# Allegro board A523-EVB-AXP717C-LPDDR4-4X-32X1-V1-0.brd (continued)
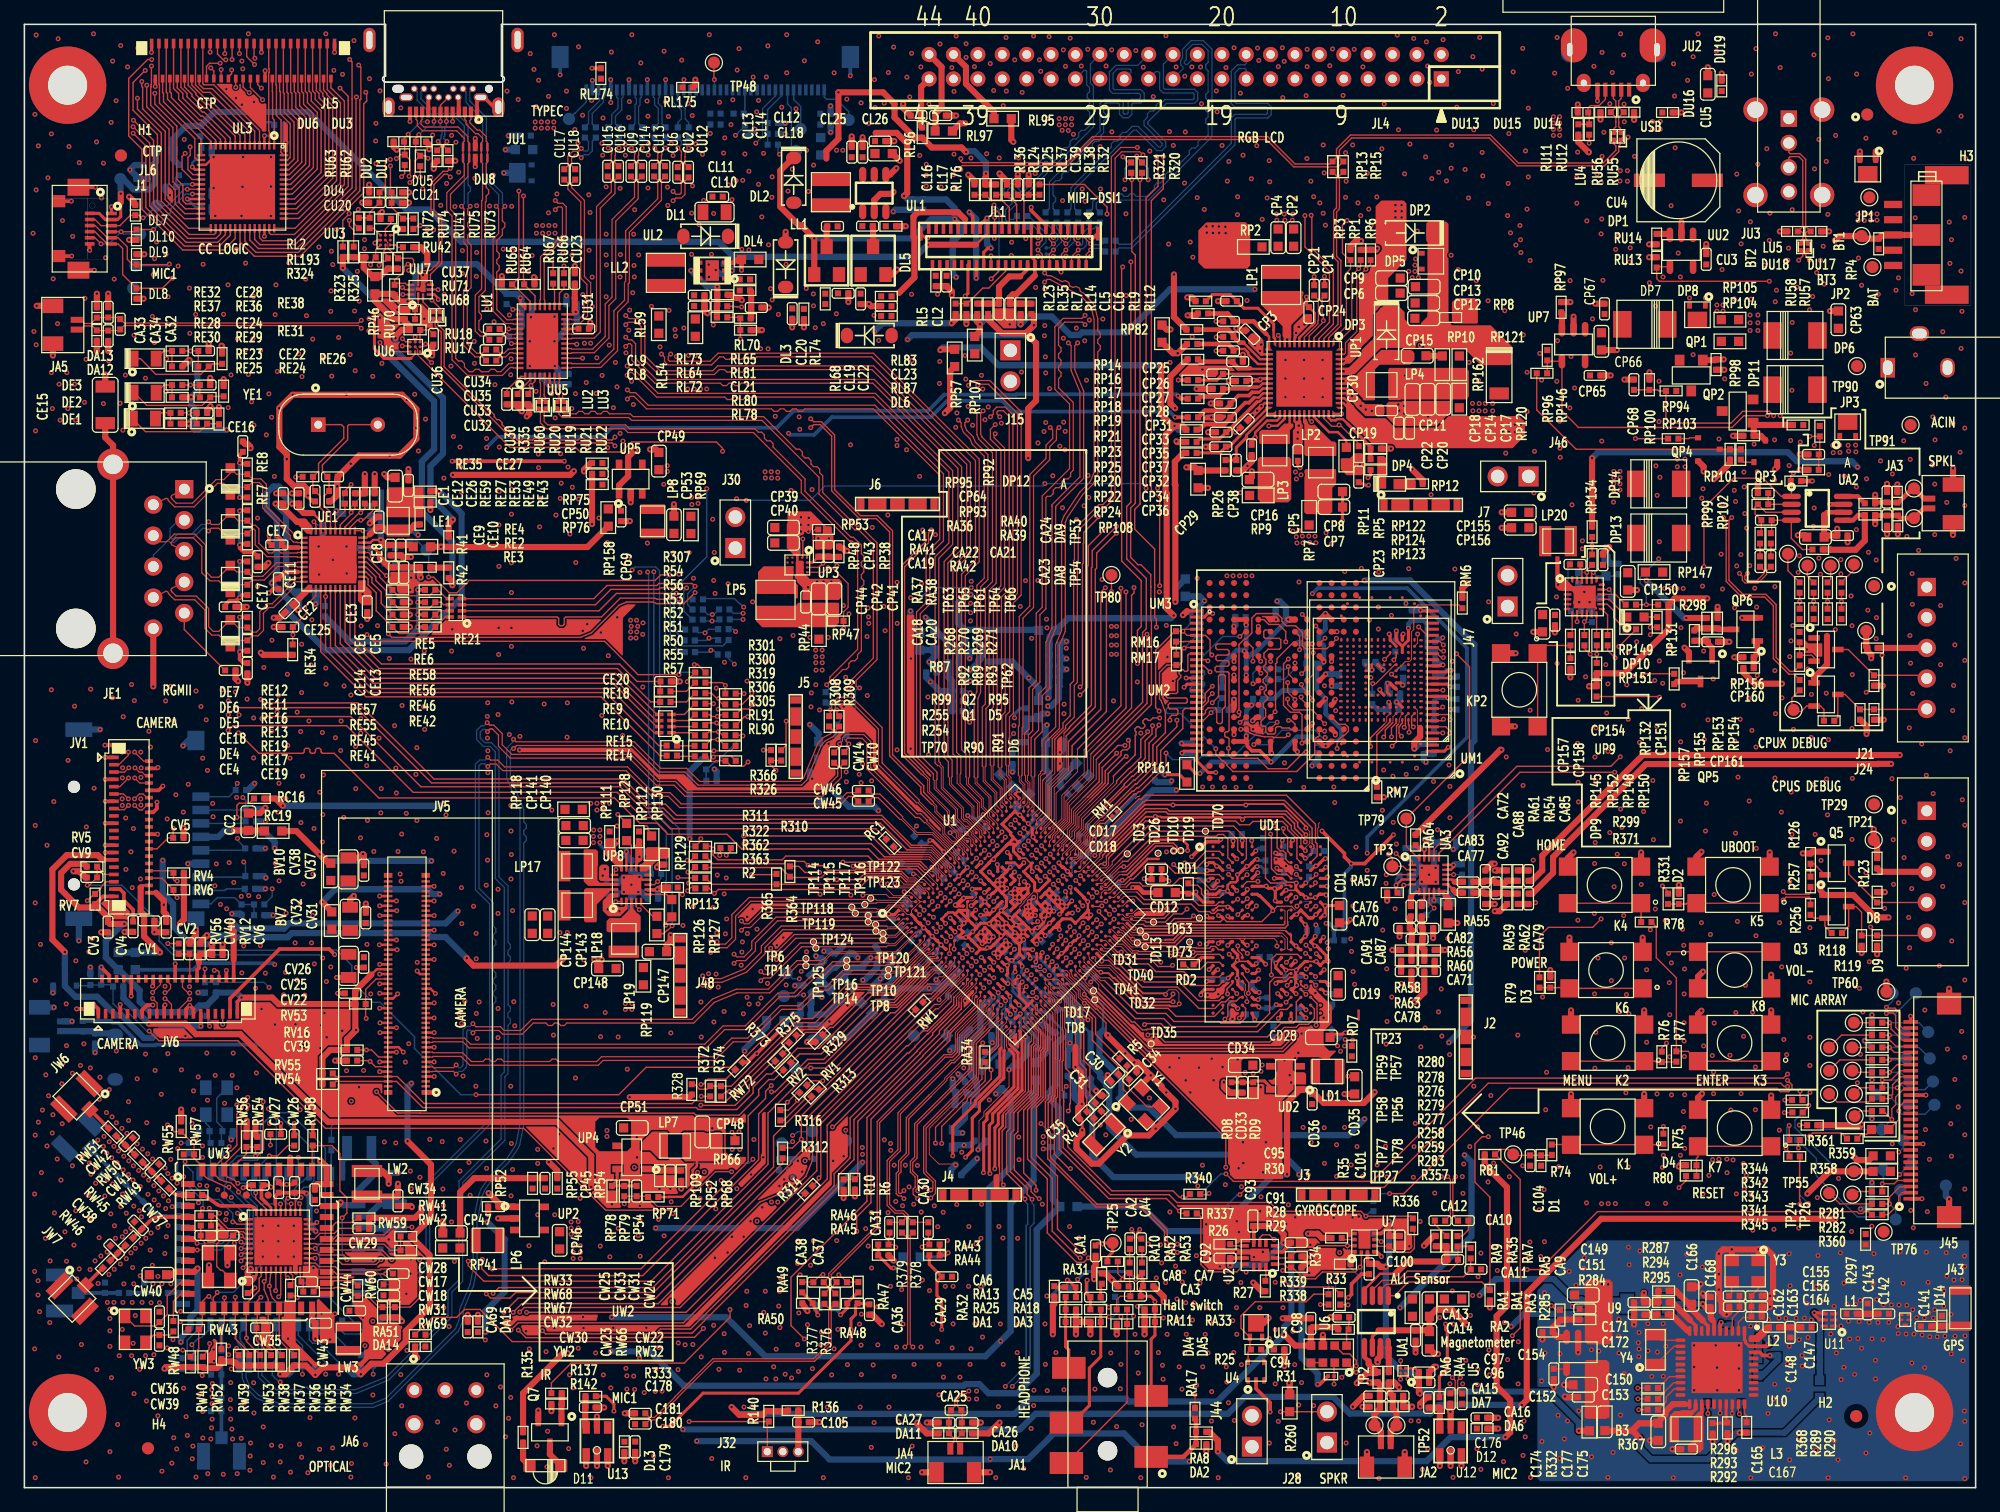
[diagram p0: board, top side]
## Footprints (pads in the part's own frame, mm; a bottom-side part is the same pattern mirrored in y, then rotated) (continued)
DFN6P650B200_200H75
  rect 0.35x0.55 smd: 1(-0.65,-1.075) 2(0,-1.075) 3(0.65,-1.075) 4(0.65,1.075) 5(0,1.075) 6(-0.65,1.075)
  rect 1.7x1.1 smd: 7(0,0)
ESD0402
  rect 0.5x0.5 smd: 1(-0.425,0) 2(0.425,0)
FPC8P50B450_710H150
  rect 0.3x0.9 smd: 1(-1.25,2.6) 2(-0.75,2.6) 3(-0.25,2.6) 4(0.25,2.6) 5(0.75,2.6) 6(1.25,2.6)
  rect 1.4x1.8 smd: 7(3.4,-0.1) 8(-3.4,-0.1)
FPC32P50B490_1860H310
  rect 0.3x1.2 smd: 1(-7.25,2.7) 2(-6.75,2.7) 3(-6.25,2.7) 4(-5.75,2.7) 5(-5.25,2.7) 6(-4.75,2.7) 7(-4.25,2.7) 8(-3.75,2.7) 9(-3.25,2.7) 10(-2.75,2.7) 11(-2.25,2.7) 12(-1.75,2.7) 13(-1.25,2.7) 14(-0.75,2.7) 15(-0.25,2.7) 16(0.25,2.7) 17(0.75,2.7) 18(1.25,2.7) 19(1.75,2.7) 20(2.25,2.7) 21(2.75,2.7) 22(3.25,2.7) 23(3.75,2.7) 24(4.25,2.7) 25(4.75,2.7) 26(5.25,2.7) 27(5.75,2.7) 28(6.25,2.7) 29(6.75,2.7) 30(7.25,2.7)
  rect 1.8x2 smd: 31(-8.75,-0.45) 32(8.75,-0.45)
FPC42P50B450_2410H150
  rect 0.3x0.9 smd: 1(-9.75,2.6) 2(-9.25,2.6) 3(-8.75,2.6) 4(-8.25,2.6) 5(-7.75,2.6) 6(-7.25,2.6) 7(-6.75,2.6) 8(-6.25,2.6) 9(-5.75,2.6) 10(-5.25,2.6) 11(-4.75,2.6) 12(-4.25,2.6) 13(-3.75,2.6) 14(-3.25,2.6) 15(-2.75,2.6) 16(-2.25,2.6) 17(-1.75,2.6) 18(-1.25,2.6) 19(-0.75,2.6) 20(-0.25,2.6) 21(0.25,2.6) 22(0.75,2.6) 23(1.25,2.6) 24(1.75,2.6) 25(2.25,2.6) 26(2.75,2.6) 27(3.25,2.6) 28(3.75,2.6) 29(4.25,2.6) 30(4.75,2.6) 31(5.25,2.6) 32(5.75,2.6) 33(6.25,2.6) 34(6.75,2.6) 35(7.25,2.6) 36(7.75,2.6) 37(8.25,2.6) 38(8.75,2.6) 39(9.25,2.6) 40(9.75,2.6)
  rect 1.4x1.8 smd: 41(11.9,-0.1) 42(-11.9,-0.1)
FPC0310-39B2-GXX-L
  rect 0.3x0.8 smd: 1(0,0) 3(0.6,0) 5(1.2,0) 7(1.8,0) 9(2.4,0) 11(3,0) 13(3.6,0) 15(4.2,0) 17(4.8,0) 19(5.4,0) 21(6,0) 23(6.6,0) 25(7.2,0) 27(7.8,0) 29(8.4,0) 31(9,0) 33(9.6,0) 35(10.2,0) 37(10.8,0) 39(11.4,0)
  rect 0.3x0.65 smd: 2(0.3,2.875) 4(0.9,2.875) 6(1.5,2.875) 8(2.1,2.875) 10(2.7,2.875) 12(3.3,2.875) 14(3.9,2.875) 16(4.5,2.875) 18(5.1,2.875) 20(5.7,2.875) 22(6.3,2.875) 24(6.9,2.875) 26(7.5,2.875) 28(8.1,2.875) 30(8.7,2.875) 32(9.3,2.875) 34(9.9,2.875) 36(10.5,2.875) 38(11.1,2.875)
  rect 0.3x1.15 smd: 40(-1,0.4) 41(12.4,0.4)
FPC-6S-P05-H10-A
  rect 0.3x0.8 smd: 1(1.25,0) 2(0.75,0) 3(0.25,0) 4(-0.25,0) 5(-0.75,0) 6(-1.25,0)
  rect 1x1 smd: 7(-2.25,2.5) 8(2.25,2.5)
FPC-51D-P03-H15
  rect 0.3x0.8 smd: 1(0,0) 3(0.6,0) 5(1.2,0) 7(1.8,0) 9(2.4,0) 11(3,0) 13(3.6,0) 15(4.2,0) 17(4.8,0) 19(5.4,0) 21(6,0) 23(6.6,0) 25(7.2,0) 27(7.8,0) 29(8.4,0) 31(9,0) 33(9.6,0) 35(10.2,0) 37(10.8,0) 39(11.4,0) 41(12,0) 43(12.6,0) 45(13.2,0) 47(13.8,0) 49(14.4,0) 51(15,0)
  rect 0.3x0.65 smd: 2(0.3,2.875) 4(0.9,2.875) 6(1.5,2.875) 8(2.1,2.875) 10(2.7,2.875) 12(3.3,2.875) 14(3.9,2.875) 16(4.5,2.875) 18(5.1,2.875) 20(5.7,2.875) 22(6.3,2.875) 24(6.9,2.875) 26(7.5,2.875) 28(8.1,2.875) 30(8.7,2.875) 32(9.3,2.875) 34(9.9,2.875) 36(10.5,2.875) 38(11.1,2.875) 40(11.7,2.875) 42(12.3,2.875) 44(12.9,2.875) 46(13.5,2.875) 48(14.1,2.875) 50(14.7,2.875)
  rect 0.3x1.15 smd: 52(15.65,0.375) 53(-0.65,0.375)
HDR1_2P254B250_508H254
  rect 1.65x1.65 hole 1.1: 1(-1.27,0)
  round 1.65 hole 1.1: 2(1.27,0)
HDR1_5P250B570_1500H700
  rect 1.5x1.5 hole 0.9: 1(-0.5,5)
  round 1.5 hole 0.9: 2(-0.5,2.5) 3(-0.5,0) 4(-0.5,-2.5) 5(-0.5,-5)
HP5B650_1400H500
  round 1.6 hole 1.6 unplated: (0,3) (0,-3)
  rect 2.75x1.8 smd: 1(-3.575,3.5) 2(3.375,0.7) 3(-3.575,-1.5) 4(3.175,-3.8) 5(3.375,4)
IDCN-44
  rect 1.246x1.246 hole 0.7: 1(32.3,-2.2)
  round 1.246 hole 0.7: 2(32.3,-0.2) 3(30.3,-2.2) 4(30.3,-0.2) 5(28.3,-2.2) 6(28.3,-0.2) 7(26.3,-2.2) 8(26.3,-0.2) 9(24.3,-2.2) 10(24.3,-0.2) 11(22.3,-2.2) 12(22.3,-0.2) 13(20.3,-2.2) 14(20.3,-0.2) 15(18.3,-2.2) 16(18.3,-0.2) 17(16.3,-2.2) 18(16.3,-0.2) 19(14.3,-2.2) 20(14.3,-0.2) 21(12.3,-2.2) 22(12.3,-0.2) 23(10.3,-2.2) 24(10.3,-0.2) 25(8.3,-2.2) 26(8.3,-0.2) 27(6.3,-2.2) 28(6.3,-0.2) 29(4.3,-2.2) 30(4.3,-0.2) 31(2.3,-2.2) 32(2.3,-0.2) 33(0.3,-2.2) 34(0.3,-0.2) 35(-1.7,-2.2) 36(-1.7,-0.2) 37(-3.7,-2.2) 38(-3.7,-0.2) 39(-5.7,-2.2) 40(-5.7,-0.2) 41(-7.7,-2.2) 42(-7.7,-0.2) 43(-9.7,-2.2) 44(-9.7,-0.2)
KEY4B450_450H380
  rect 1.5x1.5 smd: 1(-3,1.5) 2(-3,-1.5) 3(3,1.5) 4(3,-1.5)
L0402
  rect 0.5x0.5 smd: 1(-0.425,0) 2(0.425,0)
L0603
  rect 0.76x0.76 smd: 1(-0.71,0) 2(0.71,0)
L_CHOKE_SMD_DLP0NS0806
  rect 0.38x0.3 smd: 1(-0.315,-0.25) 2(0.315,-0.25) 3(0.315,0.25) 4(-0.315,0.25)
LED0603
  rect 0.76x0.76 smd: 1(-0.71,0) 2(0.71,0)
LED0805
  rect 0.9x1.3 smd: 1(-0.95,0) 2(0.95,0)
LGA12P50B200_200H100
  rect 0.3x0.35 smd: 1(-0.75,0.8) 4(-0.75,-0.8) 5(-0.25,-0.8) 6(0.25,-0.8) 7(0.75,-0.8) 10(0.75,0.8) 11(0.25,0.8) 12(-0.25,0.8)
  rect 0.35x0.3 smd: 2(-0.8,0.25) 3(-0.8,-0.25) 8(0.8,-0.25) 9(0.8,0.25)
LGA14P50B250_300H81
  rect 0.3x0.7 smd: 1(-0.5,1) 2(0,1) 3(0.5,1) 8(0.5,-1) 9(0,-1) 10(-0.5,-1)
  rect 0.7x0.3 smd: 4(1.25,0.75) 5(1.25,0.25) 6(1.25,-0.25) 7(1.25,-0.75) 11(-1.25,-0.75) 12(-1.25,-0.25) 13(-1.25,0.25) 14(-1.25,0.75)
LP160_200H100
  rect 1x1.9 smd: 1(-0.8,0) 2(0.8,0)
LP200_250H100
  rect 0.8x2 smd: 1(-1,0) 2(1,0)
LP200_250H120
  rect 1x2.5 smd: 1(-1.05,0) 2(1.05,0)
LP300_300H100
  rect 1.1x3.2 smd: 1(-1.05,0) 2(1.05,0)
MIC6B265_350H100
  rect 1.03x0.62 smd: 1(-1.105,0.883) 3(-1.105,-0.883) 4(1.105,-0.883) 6(1.105,0.883)
  rect 1.03x0.5 smd: 2(-1.105,0) 5(1.105,0)
MSOP8
  oval 0.45x1.56 smd: 1(-0.975,-2.123) 2(-0.325,-2.123) 3(0.325,-2.123) 4(0.975,-2.123) 5(0.975,2.123) 6(0.325,2.123) 7(-0.325,2.123) 8(-0.975,2.123)
MTH635D320
  round 6.35 hole 3.2: 1(0,0)
PWR3B500_1110H740
  rect 1.6x1.2 hole 1.2x0.8: 1(0,5.35)
  oval 1.6x1.2 hole 1.2x0.8: 2(0,0.45)
  oval 1.2x1.6 hole 0.8x1.2: 3(2.8,2.75)
QFN3P100B200_200H53
  rect 0.35x0.6 smd: 1(-0.5,0.85) 2(0.5,0.85)
  rect 1.3x1.4 smd: 3(0,-0.3)
QFN10P40B140_180H55
  rect 0.7x0.2 smd: 1(-0.55,0.2)
  rect 0.6x0.2 smd: 2(-0.6,-0.2) 6(0.6,-0.2) 7(0.6,0.2)
  rect 0.2x0.6 smd: 3(-0.4,-0.8) 4(0,-0.8) 5(0.4,-0.8) 8(0.4,0.8) 9(0,0.8) 10(-0.4,0.8)
QFN20P40B300_300H75
  rect 0.63x0.2 smd: 1(-1.385,0.8) 2(-1.385,0.4) 3(-1.385,0) 4(-1.385,-0.4) 5(-1.385,-0.8) 11(1.385,-0.8) 12(1.385,-0.4) 13(1.385,0) 14(1.385,0.4) 15(1.385,0.8)
  rect 0.2x0.63 smd: 6(-0.8,-1.385) 7(-0.4,-1.385) 8(0,-1.385) 9(0.4,-1.385) 10(0.8,-1.385) 16(0.8,1.385) 17(0.4,1.385) 18(0,1.385) 19(-0.4,1.385) 20(-0.8,1.385)
  rect 1.65x1.65 smd: 21(0,0)
QFN25P40B300_300H60
  custom 0.05x0.05 smd: 1(-1.43,1) 6(-1.43,-1) 7(-1,-1.43) 12(1,-1.43) 13(1.43,-1) 18(1.43,1) 19(1,1.43) 24(-1,1.43)
  rect 0.63x0.2 smd: 2(-1.38,0.6) 3(-1.38,0.2) 4(-1.38,-0.2) 5(-1.38,-0.6) 14(1.38,-0.6) 15(1.38,-0.2) 16(1.38,0.2) 17(1.38,0.6)
  rect 0.2x0.63 smd: 8(-0.6,-1.38) 9(-0.2,-1.38) 10(0.2,-1.38) 11(0.6,-1.38) 20(0.6,1.38) 21(0.2,1.38) 22(-0.2,1.38) 23(-0.6,1.38)
  rect 1.45x1.45 smd: 25(0,0)
QFN40
  custom 0.075x0.075 smd: 1(-3,2.25) 2(-3,1.75) 3(-3,1.25) 4(-3,0.75) 5(-3,0.25) 6(-3,-0.25) 7(-3,-0.75) 8(-3,-1.25) 9(-3,-1.75) 10(-3,-2.25) 11(-2.25,-3) 12(-1.75,-3) 13(-1.25,-3) 14(-0.75,-3) 15(-0.25,-3) 16(0.25,-3) 17(0.75,-3) 18(1.25,-3) 19(1.75,-3) 20(2.25,-3) 21(3,-2.25) 22(3,-1.75) 23(3,-1.25) 24(3,-0.75) 25(3,-0.25) 26(3,0.25) 27(3,0.75) 28(3,1.25) 29(3,1.75) 30(3,2.25) 31(2.25,3) 32(1.75,3) 33(1.25,3) 34(0.75,3) 35(0.25,3) 36(-0.25,3) 37(-0.75,3) 38(-1.25,3) 39(-1.75,3) 40(-2.25,3)
  rect 4.2x4.2 smd: 41(0,0)
QFN41P40B400_600H80
  rect 0.63x0.2 smd: 1(-2.885,1.4) 2(-2.885,1) 3(-2.885,0.6) 4(-2.885,0.2) 5(-2.885,-0.2) 6(-2.885,-0.6) 7(-2.885,-1) 8(-2.885,-1.4) 21(2.85,-1.4) 22(2.85,-1) 23(2.85,-0.6) 24(2.85,-0.2) 25(2.85,0.2) 26(2.85,0.6) 27(2.85,1) 28(2.85,1.4)
  rect 0.2x0.63 smd: 9(-2.2,-1.86) 10(-1.8,-1.86) 11(-1.4,-1.86) 12(-1,-1.86) 13(-0.6,-1.86) 14(-0.2,-1.86) 15(0.2,-1.86) 16(0.6,-1.86) 17(1,-1.86) 18(1.4,-1.86) 19(1.8,-1.86) 20(2.2,-1.86) 29(2.2,1.86) 30(1.8,1.86) 31(1.4,1.86) 32(1,1.86) 33(0.6,1.86) 34(0.2,1.86) 35(-0.2,1.86) 36(-0.6,1.86) 37(-1,1.86) 38(-1.4,1.86) 39(-1.8,1.86) 40(-2.2,1.86)
  rect 4.6x2.6 smd: 41(0,0)
QFN41P40B500_500H85
  rect 0.63x0.2 smd: 1(-2.385,1.8) 2(-2.385,1.4) 3(-2.385,1) 4(-2.385,0.6) 5(-2.385,0.2) 6(-2.385,-0.2) 7(-2.385,-0.6) 8(-2.385,-1) 9(-2.385,-1.4) 10(-2.385,-1.8) 21(2.385,-1.8) 22(2.385,-1.4) 23(2.385,-1) 24(2.385,-0.6) 25(2.385,-0.2) 26(2.385,0.2) 27(2.385,0.6) 28(2.385,1) 29(2.385,1.4) 30(2.385,1.8)
  rect 0.2x0.63 smd: 11(-1.8,-2.385) 12(-1.4,-2.385) 13(-1,-2.385) 14(-0.6,-2.385) 15(-0.2,-2.385) 16(0.2,-2.385) 17(0.6,-2.385) 18(1,-2.385) 19(1.4,-2.385) 20(1.8,-2.385) 31(1.8,2.385) 32(1.4,2.385) 33(1,2.385) 34(0.6,2.385) 35(0.2,2.385) 36(-0.2,2.385) 37(-0.6,2.385) 38(-1,2.385) 39(-1.4,2.385) 40(-1.8,2.385)
  rect 3.6x3.6 smd: 41(0,0)
QFN50P90B1300_1500H155
  rect 1.13x0.5 smd: 1(-7.187,4.5) 2(-7.187,3.6) 3(-7.187,2.7) 4(-7.187,1.8) 5(-7.187,0.9) 6(-7.187,0) 7(-7.187,-0.9) 8(-7.187,-1.8) 9(-7.187,-2.7) 10(-7.187,-3.6) 11(-7.187,-4.5) 26(7.187,-4.5) 27(7.187,-3.6) 28(7.187,-2.7) 29(7.187,-1.8) 30(7.187,-0.9) 31(7.187,0) 32(7.187,0.9) 33(7.187,1.8) 34(7.187,2.7) 35(7.187,3.6) 36(7.187,4.5)
  rect 0.5x1.13 smd: 12(-5.85,-6.187) 13(-4.95,-6.187) 14(-4.05,-6.187) 15(-3.15,-6.187) 16(-2.25,-6.187) 17(-1.35,-6.187) 18(-0.45,-6.187) 19(0.45,-6.187) 20(1.35,-6.187) 21(2.25,-6.187) 22(3.15,-6.187) 23(4.05,-6.187) 24(4.95,-6.187) 25(5.85,-6.187) 37(5.85,6.187) 38(4.95,6.187) 39(4.05,6.187) 40(3.15,6.187) 41(2.25,6.187) 42(1.35,6.187) 43(0.45,6.187) 44(-0.45,6.187) 45(-1.35,6.187) 46(-2.25,6.187) 47(-3.15,6.187) 48(-4.05,6.187) 49(-4.95,6.187) 50(-5.85,6.187)
QFN53P40B600_600H75
  custom 0.05x0.05 smd: 1(-2.89,2.4) 13(-2.89,-2.4) 14(-2.4,-2.89) 26(2.4,-2.89) 27(2.89,-2.4) 39(2.89,2.4) 40(2.4,2.89) 52(-2.4,2.89)
  rect 0.63x0.2 smd: 2(-2.885,2) 3(-2.885,1.6) 4(-2.885,1.2) 5(-2.885,0.8) 6(-2.885,0.4) 7(-2.885,0) 8(-2.885,-0.4) 9(-2.885,-0.8) 10(-2.885,-1.2) 11(-2.885,-1.6) 12(-2.885,-2) 28(2.885,-2) 29(2.885,-1.6) 30(2.885,-1.2) 31(2.885,-0.8) 32(2.885,-0.4) 33(2.885,0) 34(2.885,0.4) 35(2.885,0.8) 36(2.885,1.2) 37(2.885,1.6) 38(2.885,2)
  rect 0.2x0.63 smd: 15(-2,-2.885) 16(-1.6,-2.885) 17(-1.2,-2.885) 18(-0.8,-2.885) 19(-0.4,-2.885) 20(0,-2.885) 21(0.4,-2.885) 22(0.8,-2.885) 23(1.2,-2.885) 24(1.6,-2.885) 25(2,-2.885) 41(2,2.885) 42(1.6,2.885) 43(1.2,2.885) 44(0.8,2.885) 45(0.4,2.885) 46(0,2.885) 47(-0.4,2.885) 48(-0.8,2.885) 49(-1.2,2.885) 50(-1.6,2.885) 51(-2,2.885)
  rect 4.6x4.6 smd: 53(0,0)
QFN57P40B700_700H75
  rect 0.7x0.2 smd: 1(-3.4,2.6) 2(-3.4,2.2) 3(-3.4,1.8) 4(-3.4,1.4) 5(-3.4,1) 6(-3.4,0.6) 7(-3.4,0.2) 8(-3.4,-0.2) 9(-3.4,-0.6) 10(-3.4,-1) 11(-3.4,-1.4) 12(-3.4,-1.8) 13(-3.4,-2.2) 14(-3.4,-2.6) 29(3.4,-2.6) 30(3.4,-2.2) 31(3.4,-1.8) 32(3.4,-1.4) 33(3.4,-1) 34(3.4,-0.6) 35(3.4,-0.2) 36(3.4,0.2) 37(3.4,0.6) 38(3.4,1) 39(3.4,1.4) 40(3.4,1.8) 41(3.4,2.2) 42(3.4,2.6)
  rect 0.2x0.7 smd: 15(-2.6,-3.4) 16(-2.2,-3.4) 17(-1.8,-3.4) 18(-1.4,-3.4) 19(-1,-3.4) 20(-0.6,-3.4) 21(-0.2,-3.4) 22(0.2,-3.4) 23(0.6,-3.4) 24(1,-3.4) 25(1.4,-3.4) 26(1.8,-3.4) 27(2.2,-3.4) 28(2.6,-3.4) 43(2.6,3.4) 44(2.2,3.4) 45(1.8,3.4) 46(1.4,3.4) 47(1,3.4) 48(0.6,3.4) 49(0.2,3.4) 50(-0.2,3.4) 51(-0.6,3.4) 52(-1,3.4) 53(-1.4,3.4) 54(-1.8,3.4) 55(-2.2,3.4) 56(-2.6,3.4)
  rect 5.35x5.35 smd: 57(0,0)
R0201
  rect 0.3x0.3 smd: 1(-0.25,0) 2(0.25,0)
R0402
  rect 0.5x0.5 smd: 1(-0.425,0) 2(0.425,0)
R0603
  rect 0.76x0.76 smd: 1(-0.71,0) 2(0.71,0)
R1206
  rect 1x1.6 smd: 1(-1.5,0) 2(1.5,0)
RA8P50B100_200H45
  rect 0.7x0.3 smd: 1(-0.5,0.75) 2(-0.5,0.25) 3(-0.5,-0.25) 4(-0.5,-0.75) 5(0.5,-0.75) 6(0.5,-0.25) 7(0.5,0.25) 8(0.5,0.75)
RCLAMP0524P
  rect 0.2x0.675 smd: 1(0,-0.875) 2(0.5,-0.875) 4(1.5,-0.875) 5(2,-0.875) 6(2,0) 7(1.5,0) 9(0.5,0) 10(0,0)
  rect 0.4x0.67 smd: 3(1,-0.875) 8(1,0)
RJ12P127B1588_2159H1364
  round 3.25 hole 3.25 unplated: (-5.715,0.105) (5.715,0.105)
  rect 1.5x1.5 hole 0.89: 1(-5.71,8.995)
  round 1.5 hole 0.89: 2(-4.44,6.455) 3(-3.17,8.995) 4(-1.9,6.455) 5(-0.63,8.995) 6(0.64,6.455) 7(1.91,8.995) 8(3.18,6.455) 9(4.45,8.995) 10(5.72,6.455)
  round 2.6 hole 1.6: 11(-7.745,3.155) 12(7.745,3.155)
SDC13B1450_1472H245
  round 1 hole 1 unplated: (-3.05,3.25) (4.95,3.25)
  rect 0.7x1.4 smd: 1(-2.25,-7.15) 2(-1.15,-7.15) 3(-0.05,-7.15) 4(1.05,-7.15) 5(2.15,-7.15) 6(3.25,-7.15) 7(4.35,-7.15) 8(5.45,-7.15) 9(6.55,-7.15)
  rect 1.2x1.4 smd: 10(7.75,-6.75)
  rect 1.6x1.4 smd: 11(-6.85,-6.75)
  rect 1.2x2.2 smd: 12(7.75,2.85) 13(-7.75,2.85)
SEDSKT90P40B294_2060H290
  rect 0.4x0.7 smd: 1(8.9,1.54) 2(8.9,-1.54) 89(-8.9,1.54) 90(-8.9,-1.54)
  rect 0.2x0.7 smd: 3(8.4,1.54) 4(8.4,-1.54) 5(8,1.54) 6(8,-1.54) 7(7.6,1.54) 8(7.6,-1.54) 9(7.2,1.54) 10(7.2,-1.54) 11(6.8,1.54) 12(6.8,-1.54) 13(6.4,1.54) 14(6.4,-1.54) 15(6,1.54) 16(6,-1.54) 17(5.6,1.54) 18(5.6,-1.54) 19(5.2,1.54) 20(5.2,-1.54) 21(4.8,1.54) 22(4.8,-1.54) 23(4.4,1.54) 24(4.4,-1.54) 25(4,1.54) 26(4,-1.54) 27(3.6,1.54) 28(3.6,-1.54) 29(3.2,1.54) 30(3.2,-1.54) 31(2.8,1.54) 32(2.8,-1.54) 33(2.4,1.54) 34(2.4,-1.54) 35(2,1.54) 36(2,-1.54) 37(1.6,1.54) 38(1.6,-1.54) 39(1.2,1.54) 40(1.2,-1.54) 41(0.8,1.54) 42(0.8,-1.54) 43(0.4,1.54) 44(0.4,-1.54) 45(0,1.54) 46(0,-1.54) 47(-0.4,1.54) 48(-0.4,-1.54) 49(-0.8,1.54) 50(-0.8,-1.54) 51(-1.2,1.54) 52(-1.2,-1.54) 53(-1.6,1.54) 54(-1.6,-1.54) 55(-2,1.54) 56(-2,-1.54) 57(-2.4,1.54) 58(-2.4,-1.54) 59(-2.8,1.54) 60(-2.8,-1.54) 61(-3.2,1.54) 62(-3.2,-1.54) 63(-3.6,1.54) 64(-3.6,-1.54) 65(-4,1.54) 66(-4,-1.54) 67(-4.4,1.54) 68(-4.4,-1.54) 69(-4.8,1.54) 70(-4.8,-1.54) 71(-5.2,1.54) 72(-5.2,-1.54) 73(-5.6,1.54) 74(-5.6,-1.54) 75(-6,1.54) 76(-6,-1.54) 77(-6.4,1.54) 78(-6.4,-1.54) 79(-6.8,1.54) 80(-6.8,-1.54) 81(-7.2,1.54) 82(-7.2,-1.54) 83(-7.6,1.54) 84(-7.6,-1.54) 85(-8,1.54) 86(-8,-1.54) 87(-8.4,1.54) 88(-8.4,-1.54)
SFLT5B90_110H45
  rect 0.25x0.4 smd: 1(-0.42,0)
  rect 0.18x0.45 smd: 2(0,-0.35) 3(0.385,-0.35) 4(0.385,0.35) 5(0,0.35)
SHIELD-N
  rect 0.6x0.9 smd: 1(3,0) 2(-3,0)
  rect 1.2x0.9 smd: 3(0,0)
  rect 1.5x0.9 smd: 4(1.65,0) 5(-1.65,0)
SOD100_300H200
  rect 1x1 smd: 1(-1.3,0) 2(1.3,0)
SOD123
  oval 1.016x1.27 smd: 1(-1.829,0) 2(1.829,0)
SOD130_175H101
  rect 0.8x0.8 smd: 1(-1.1,0) 2(1.1,0)
SOD130_264H140
  rect 1.1x1.65 smd: 1(-1.7,0) 2(1.7,0)
SOD362_432H229
  rect 1.52x2.18 smd: 1(-1.84,0) 2(1.84,0)
SOP48P50B1200_1840H120
  rect 1.1x0.25 smd: 1(-9.65,5.75) 2(-9.65,5.25) 3(-9.65,4.75) 4(-9.65,4.25) 5(-9.65,3.75) 6(-9.65,3.25) 7(-9.65,2.75) 8(-9.65,2.25) 9(-9.65,1.75) 10(-9.65,1.25) 11(-9.65,0.75) 12(-9.65,0.25) 13(-9.65,-0.25) 14(-9.65,-0.75) 15(-9.65,-1.25) 16(-9.65,-1.75) 17(-9.65,-2.25) 18(-9.65,-2.75) 19(-9.65,-3.25) 20(-9.65,-3.75) 21(-9.65,-4.25) 22(-9.65,-4.75) 23(-9.65,-5.25) 24(-9.65,-5.75) 25(9.65,-5.75) 26(9.65,-5.25) 27(9.65,-4.75) 28(9.65,-4.25) 29(9.65,-3.75) 30(9.65,-3.25) 31(9.65,-2.75) 32(9.65,-2.25) 33(9.65,-1.75) 34(9.65,-1.25) 35(9.65,-0.75) 36(9.65,-0.25) 37(9.65,0.25) 38(9.65,0.75) 39(9.65,1.25) 40(9.65,1.75) 41(9.65,2.25) 42(9.65,2.75) 43(9.65,3.25) 44(9.65,3.75) 45(9.65,4.25) 46(9.65,4.75) 47(9.65,5.25) 48(9.65,5.75)
SOT3P95B130_290H103
  rect 0.95x0.46 smd: 1(-0.975,0.95) 2(-0.975,-0.95) 3(0.975,0)
SOT5P95B160_300H130
  rect 0.8x0.55 smd: 1(-1.2,0.95) 2(-1.2,0) 3(-1.2,-0.95) 4(1.2,-0.95) 5(1.2,0.95)
SOT23
  rect 0.508x0.432 smd: 1(-0.889,0.94) 2(-0.889,-0.965) 3(0.889,0)
SOT23-5
  oval 1.2x0.55 smd: 1(-1.246,0.95) 2(-1.246,0) 3(-1.246,-0.95) 4(1.373,-0.95) 5(1.373,0.95)
SOT23-6
  oval 0.6x1.25 smd: 1(-0.95,-1.525) 2(0,-1.525) 3(0.95,-1.525) 4(0.95,1.525) 5(0,1.525) 6(-0.95,1.525)
SOT23-132
  rect 1.016x1.219 smd: 1(-1.016,-1.143) 2(1.016,-1.143) 3(0,1.143)
SOT-23
  rect 0.9x0.8 smd: 1(-1.254,0.95) 2(-1.254,-0.95) 3(1.27,0)
SPDIF5B965_1360H960
  round 2 hole 2 unplated: (0.8,2.8) (0.8,-2.8)
  round 1.3 hole 0.8: 1(-4.65,-2.54) 2(-4.65,0) 3(-4.65,2.54)
  round 1.5 hole 1: 4(-1.85,-2.54) 5(-1.85,2.54)
SUB_WIFI47B1200_1200H150
  rect 1.13x0.5 smd: 1(-5.688,4.5) 2(-5.688,3.6) 3(-5.688,2.7) 4(-5.688,1.8) 5(-5.688,0.9) 6(-5.688,0) 7(-5.688,-0.9) 8(-5.688,-1.8) 9(-5.688,-2.7) 10(-5.688,-3.6) 11(-5.688,-4.5) 23(5.688,-4.5) 24(5.688,-3.6) 25(5.688,-2.7) 26(5.688,-1.8) 27(5.688,-0.9) 28(5.688,0) 29(5.688,0.9) 30(5.688,1.8) 31(5.688,2.7) 32(5.688,3.6) 33(5.688,4.5)
  rect 0.5x1.13 smd: 12(-4.5,-5.688) 13(-3.6,-5.688) 14(-2.7,-5.688) 15(-1.8,-5.688) 16(-0.9,-5.688) 17(0,-5.688) 18(0.9,-5.688) 19(1.8,-5.688) 20(2.7,-5.688) 21(3.6,-5.688) 22(4.5,-5.688) 34(4.5,5.688) 35(3.6,5.688) 36(2.7,5.688) 37(1.8,5.688) 38(0.9,5.688) 39(0,5.688) 40(-0.9,5.688) 41(-1.8,5.688) 42(-2.7,5.688) 43(-3.6,5.688) 44(-4.5,5.688)
  round 0.6 smd: 45(-2.7,3.6) 46(-0.9,3.6) 47(0.9,3.6)
TO3B400_400H230_DIP
  rect 0.9x0.9 hole 0.6: 1(-1.27,0)
  round 0.9 hole 0.6: 2(0,0) 3(1.27,0)
TP30
  round 0.3 smd: 1(0,0)
TP100
  round 1 smd: 1(0,0)
unnamed#2
  round 1 smd: 1(0,0)
USB8P200B512_1925H1250
  rect 1.35x1.35 hole 0.92: 1(0,1.955)
  round 1.35 hole 0.92: 2(0,3.955) 3(0,5.955) 4(0,7.955)
  round 2 hole 1.35: 5(-2.735,8.225) 6(2.735,8.225) 7(-2.735,1.225) 8(2.735,1.225)
USB9P65B500_690H240
  rect 0.35x1.15 smd: 1(-1.3,2.855) 2(-0.65,2.855) 3(0,2.855) 4(0.65,2.855) 5(1.3,2.855)
  oval 1.15x1.5 hole 0.5x0.55: 6(2.425,2.3) 9(-2.425,2.3)
  oval 2.15x2.8 hole 0.45x1.1: 7(3.575,-0.43) 8(-3.575,-0.43)
USB28P50B865_970H276
  round 0.65 hole 0.65 unplated: (-3.725,4)
  oval 0.95x0.65 hole 0.95x0.65 unplated: (3.725,4)
  oval 1x1.6 hole 0.5x1.1: 1(-4.5,5.51) 2(4.5,5.51)
  oval 1x2 hole 0.5x1.5: 3(-6.075,0) 4(6.075,0)
  rect 0.35x0.9 smd: A1(-2.75,5.91) A2(-2.25,5.91) A3(-1.75,5.91) A4(-1.25,5.91) A5(-0.75,5.91) A6(-0.25,5.91) A7(0.25,5.91) A8(0.75,5.91) A9(1.25,5.91) A10(1.75,5.91) A11(2.25,5.91) A12(2.75,5.91)
  oval 1.15x0.65 hole 0.9x0.4: B1(3.05,4.7) B12(-3.05,4.7)
  round 0.55 hole 0.35: B2(2.4,4) B3(1.6,4) B4(1.2,4.7) B5(0.8,4) B6(0.4,4.7) B7(-0.4,4.7) B8(-0.8,4) B9(-1.2,4.7) B10(-1.6,4) B11(-2.4,4)
X2B150_320H75_SMD
  rect 1x1.8 smd: 1(-1.25,0) 2(1.25,0)
X2B500_1135H350
  rect 1.2x1.2 hole 0.65: 1(-2.44,0)
  round 1.2 hole 0.65: 2(2.44,0)
X4B250_320H80_SMD
  rect 1.05x1.3 smd: 1(-0.925,1.15) 2(-0.925,-1.15) 3(0.925,-1.15) 4(0.925,1.15)
X4B250_320H120_SMD
  rect 0.95x1.2 smd: 1(-0.875,1.1) 2(-0.875,-1.1) 3(0.875,-1.1) 4(0.875,1.1)
